# Altium PCB H-00488.PcbDoc (part 2 of 9)
Units mm, origin at the board's own origin, x right, y up, seen from the top; angles counter-clockwise.
Board outline 141.5 x 129 mm, 4 copper layers (Top Layer, Ground Plane, Power Plane, Bottom Layer), stack 1.536 mm thick; 527 components, 572 nets, 2185 pads, 1060 vias.
Unrouted connection lines stored in the file: 97.
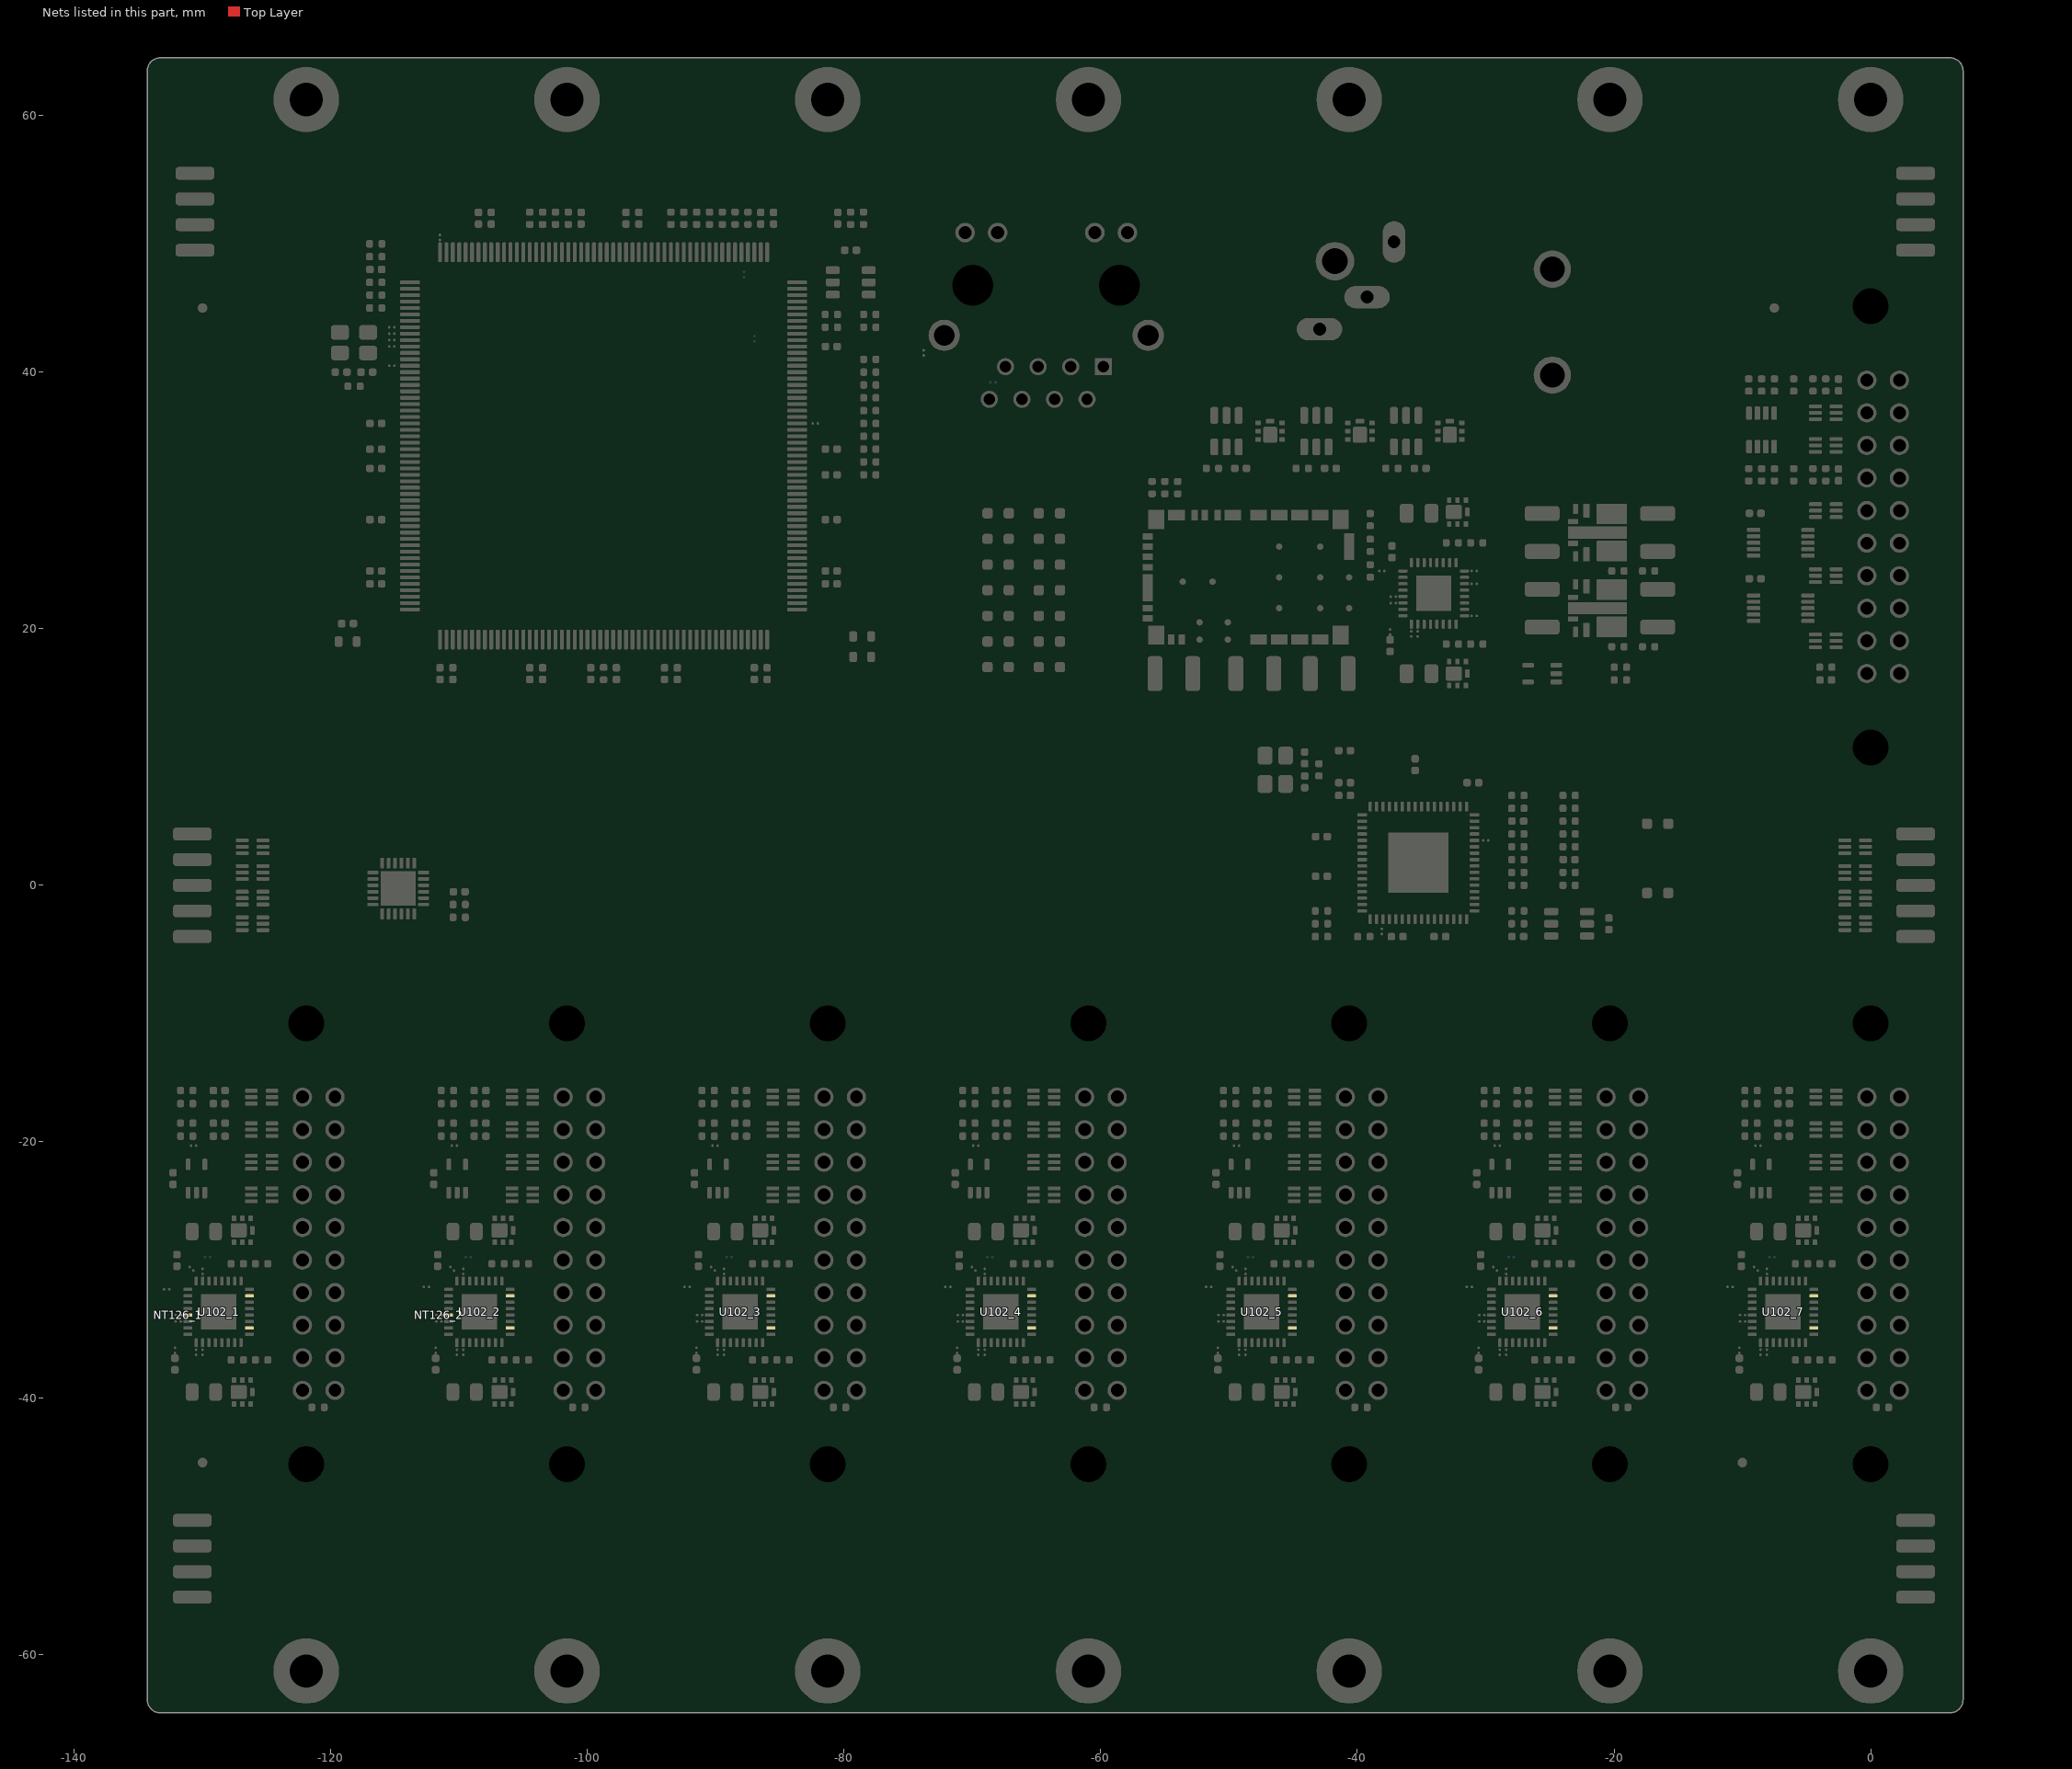
[diagram p4: the nets of this part, all layers, seen from the top]

## Components (designator, comment, footprint, x,y, rotation, side; value= is the part's Value field where it differs from the comment) (continued)
R118 "CRCW04021K20FKED" RESC100X50X40L25N -89.5,52 r90 top value=1.2k
R119 "CRCW04021K20FKED" RESC100X50X40L25N -78,32 r180 top value=1.2k
R120 "CRCW04021K20FKED" RESC100X50X40L25N -104.5,52 r90 top value=1.2k
R121 "CRCW04021K20FKED" RESC100X50X40L25N -90.5,52 r90 top value=1.2k
R122 "CRCW04021K20FKED" RESC100X50X40L25N -116.5,47 r180 top value=1.2k
R123 "CRCW04021K20FKED" RESC100X50X40L25N -91.5,52 r90 top value=1.2k
R124 "CRCW04021K20FKED" RESC100X50X40L25N -78,40 r180 top value=1.2k
R125 "CRCW04021K20FKED" RESC100X50X40L25N -116.5,46 r180 top value=1.2k
R126 "CRCW04021K20FKED" RESC100X50X40L25N -92.5,52 r90 top value=1.2k
R127 "CRCW04021K20FKED" RESC100X50X40L25N -78,39 r180 top value=1.2k
R128 "CRCW04021K20FKED" RESC100X50X40L25N -116.5,45 r180 top value=1.2k
R129 "CRCW04021K20FKED" RESC100X50X40L25N -93.5,52 r90 top value=1.2k
R130 "CRCW04021M00FKED" RESC100X50X40L25N -118.2,38.9 r180 top value=1M
R131 "CRCW04020000Z0ED" RESC100X50X40L25N -78,43.5 r0 top value=0
R132 "CRCW04020000Z0ED" RESC100X50X40L25N -78,44.5 r0 top value=0
R133 "CRCW04020000Z0ED" RESC100X50X40L25N -78.5,52 r270 top value=0
R134 "CRCW04023K00FKED" RESC100X50X40L25N -98.75,16.5 r90 top value=3k
R135_1 "CRCW040247R0FKED" RESC100X50X40L25N -131.237,-17.018 r180 top locked value=47 (schematic designator R135)
R135_2 "CRCW040247R0FKED" RESC100X50X40L25N -110.917,-17.018 r180 top locked value=47 (schematic designator R135)
R135_3 "CRCW040247R0FKED" RESC100X50X40L25N -90.597,-17.018 r180 top locked value=47 (schematic designator R135)
R135_4 "CRCW040247R0FKED" RESC100X50X40L25N -70.277,-17.018 r180 top locked value=47 (schematic designator R135)
R135_5 "CRCW040247R0FKED" RESC100X50X40L25N -49.957,-17.018 r180 top locked value=47 (schematic designator R135)
R135_6 "CRCW040247R0FKED" RESC100X50X40L25N -29.637,-17.018 r180 top locked value=47 (schematic designator R135)
R135_7 "CRCW040247R0FKED" RESC100X50X40L25N -9.317,-17.018 r180 top locked value=47 (schematic designator R135)
R136_1 "CRCW040247R0FKED" RESC100X50X40L25N -131.237,-16.002 r180 top locked value=47 (schematic designator R136)
R136_2 "CRCW040247R0FKED" RESC100X50X40L25N -110.917,-16.002 r180 top locked value=47 (schematic designator R136)
R136_3 "CRCW040247R0FKED" RESC100X50X40L25N -90.597,-16.002 r180 top locked value=47 (schematic designator R136)
R136_4 "CRCW040247R0FKED" RESC100X50X40L25N -70.277,-16.002 r180 top locked value=47 (schematic designator R136)
R136_5 "CRCW040247R0FKED" RESC100X50X40L25N -49.957,-16.002 r180 top locked value=47 (schematic designator R136)
R136_6 "CRCW040247R0FKED" RESC100X50X40L25N -29.637,-16.002 r180 top locked value=47 (schematic designator R136)
R136_7 "CRCW040247R0FKED" RESC100X50X40L25N -9.317,-16.002 r180 top locked value=47 (schematic designator R136)
R137_1 "CRCW040247R0FKED" RESC100X50X40L25N -131.237,-18.542 r180 top locked value=47 (schematic designator R137)
R137_2 "CRCW040247R0FKED" RESC100X50X40L25N -110.917,-18.542 r180 top locked value=47 (schematic designator R137)
R137_3 "CRCW040247R0FKED" RESC100X50X40L25N -90.597,-18.542 r180 top locked value=47 (schematic designator R137)
R137_4 "CRCW040247R0FKED" RESC100X50X40L25N -70.277,-18.542 r180 top locked value=47 (schematic designator R137)
R137_5 "CRCW040247R0FKED" RESC100X50X40L25N -49.957,-18.542 r180 top locked value=47 (schematic designator R137)
R137_6 "CRCW040247R0FKED" RESC100X50X40L25N -29.637,-18.542 r180 top locked value=47 (schematic designator R137)
R137_7 "CRCW040247R0FKED" RESC100X50X40L25N -9.317,-18.542 r180 top locked value=47 (schematic designator R137)
R138_1 "CRCW040247R0FKED" RESC100X50X40L25N -131.237,-19.558 r180 top locked value=47 (schematic designator R138)
R138_2 "CRCW040247R0FKED" RESC100X50X40L25N -110.917,-19.558 r180 top locked value=47 (schematic designator R138)
R138_3 "CRCW040247R0FKED" RESC100X50X40L25N -90.597,-19.558 r180 top locked value=47 (schematic designator R138)
R138_4 "CRCW040247R0FKED" RESC100X50X40L25N -70.277,-19.558 r180 top locked value=47 (schematic designator R138)
R138_5 "CRCW040247R0FKED" RESC100X50X40L25N -49.957,-19.558 r180 top locked value=47 (schematic designator R138)
R138_6 "CRCW040247R0FKED" RESC100X50X40L25N -29.637,-19.558 r180 top locked value=47 (schematic designator R138)
R138_7 "CRCW040247R0FKED" RESC100X50X40L25N -9.317,-19.558 r180 top locked value=47 (schematic designator R138)
R139_1 "WSL0805R0250FEA18" RESC200X125X70L40N -129.9,-27 r180 top value=25m (schematic designator R139)
R139_2 "WSL0805R0250FEA18" RESC200X125X70L40N -109.58,-27 r180 top value=25m (schematic designator R139)
R139_3 "WSL0805R0250FEA18" RESC200X125X70L40N -89.26,-27 r180 top value=25m (schematic designator R139)
R139_4 "WSL0805R0250FEA18" RESC200X125X70L40N -68.94,-27 r180 top value=25m (schematic designator R139)
R139_5 "WSL0805R0250FEA18" RESC200X125X70L40N -48.62,-27 r180 top value=25m (schematic designator R139)
R139_6 "WSL0805R0250FEA18" RESC200X125X70L40N -28.3,-27 r180 top value=25m (schematic designator R139)
R139_7 "WSL0805R0250FEA18" RESC200X125X70L40N -7.98,-27 r180 top value=25m (schematic designator R139)
R140_1 "CRCW040210K0FKED" RESC100X50X40L25N -127.3,-29.5 r0 top value=10k (schematic designator R140)
R140_2 "CRCW040210K0FKED" RESC100X50X40L25N -106.98,-29.5 r0 top value=10k (schematic designator R140)
R140_3 "CRCW040210K0FKED" RESC100X50X40L25N -86.66,-29.5 r0 top value=10k (schematic designator R140)
R140_4 "CRCW040210K0FKED" RESC100X50X40L25N -66.34,-29.5 r0 top value=10k (schematic designator R140)
R140_5 "CRCW040210K0FKED" RESC100X50X40L25N -46.02,-29.5 r0 top value=10k (schematic designator R140)
R140_6 "CRCW040210K0FKED" RESC100X50X40L25N -25.7,-29.5 r0 top value=10k (schematic designator R140)
R140_7 "CRCW040210K0FKED" RESC100X50X40L25N -5.38,-29.5 r0 top value=10k (schematic designator R140)
R141_1 "CRCW04023K90FKED" RESC100X50X40L25N -125.4,-29.5 r0 top value=3.9k (schematic designator R141)
R141_2 "CRCW04023K90FKED" RESC100X50X40L25N -105.08,-29.5 r0 top value=3.9k (schematic designator R141)
R141_3 "CRCW04023K90FKED" RESC100X50X40L25N -84.76,-29.5 r0 top value=3.9k (schematic designator R141)
R141_4 "CRCW04023K90FKED" RESC100X50X40L25N -64.44,-29.5 r0 top value=3.9k (schematic designator R141)
R141_5 "CRCW04023K90FKED" RESC100X50X40L25N -44.12,-29.5 r0 top value=3.9k (schematic designator R141)
R141_6 "CRCW04023K90FKED" RESC100X50X40L25N -23.8,-29.5 r0 top value=3.9k (schematic designator R141)
R141_7 "CRCW04023K90FKED" RESC100X50X40L25N -3.48,-29.5 r0 top value=3.9k (schematic designator R141)
R142_1 "WSL0805R0250FEA18" RESC200X125X70L40N -129.9,-39.5 r180 top value=25m (schematic designator R142)
R142_2 "WSL0805R0250FEA18" RESC200X125X70L40N -109.58,-39.5 r180 top value=25m (schematic designator R142)
R142_3 "WSL0805R0250FEA18" RESC200X125X70L40N -89.26,-39.5 r180 top value=25m (schematic designator R142)
R142_4 "WSL0805R0250FEA18" RESC200X125X70L40N -68.94,-39.5 r180 top value=25m (schematic designator R142)
R142_5 "WSL0805R0250FEA18" RESC200X125X70L40N -48.62,-39.5 r180 top value=25m (schematic designator R142)
R142_6 "WSL0805R0250FEA18" RESC200X125X70L40N -28.3,-39.5 r180 top value=25m (schematic designator R142)
R142_7 "WSL0805R0250FEA18" RESC200X125X70L40N -7.98,-39.5 r180 top value=25m (schematic designator R142)
R143_1 "CRCW040220K0FKED" RESC100X50X40L25N -127.3,-37 r0 top value=20k (schematic designator R143)
R143_2 "CRCW040220K0FKED" RESC100X50X40L25N -106.98,-37 r0 top value=20k (schematic designator R143)
R143_3 "CRCW040220K0FKED" RESC100X50X40L25N -86.66,-37 r0 top value=20k (schematic designator R143)
R143_4 "CRCW040220K0FKED" RESC100X50X40L25N -66.34,-37 r0 top value=20k (schematic designator R143)
R143_5 "CRCW040220K0FKED" RESC100X50X40L25N -46.02,-37 r0 top value=20k (schematic designator R143)
R143_6 "CRCW040220K0FKED" RESC100X50X40L25N -25.7,-37 r0 top value=20k (schematic designator R143)
R143_7 "CRCW040220K0FKED" RESC100X50X40L25N -5.38,-37 r0 top value=20k (schematic designator R143)
R144_1 "CRCW04021K20FKED" RESC100X50X40L25N -125.4,-37 r0 top value=1.2k (schematic designator R144)
R144_2 "CRCW04021K20FKED" RESC100X50X40L25N -105.08,-37 r0 top value=1.2k (schematic designator R144)
R144_3 "CRCW04021K20FKED" RESC100X50X40L25N -84.76,-37 r0 top value=1.2k (schematic designator R144)
R144_4 "CRCW04021K20FKED" RESC100X50X40L25N -64.44,-37 r0 top value=1.2k (schematic designator R144)
R144_5 "CRCW04021K20FKED" RESC100X50X40L25N -44.12,-37 r0 top value=1.2k (schematic designator R144)
R144_6 "CRCW04021K20FKED" RESC100X50X40L25N -23.8,-37 r0 top value=1.2k (schematic designator R144)
R144_7 "CRCW04021K20FKED" RESC100X50X40L25N -3.48,-37 r0 top value=1.2k (schematic designator R144)
R145_1 "CRCW040247R0FKED" RESC100X50X40L25N -121,-40.7 r0 top value=47 (schematic designator R145)
R145_2 "CRCW040247R0FKED" RESC100X50X40L25N -100.68,-40.7 r0 top value=47 (schematic designator R145)
R145_3 "CRCW040247R0FKED" RESC100X50X40L25N -80.36,-40.7 r0 top value=47 (schematic designator R145)
R145_4 "CRCW040247R0FKED" RESC100X50X40L25N -60.04,-40.7 r0 top value=47 (schematic designator R145)
R145_5 "CRCW040247R0FKED" RESC100X50X40L25N -39.72,-40.7 r0 top value=47 (schematic designator R145)
R145_6 "CRCW040247R0FKED" RESC100X50X40L25N -19.4,-40.7 r0 top value=47 (schematic designator R145)
R145_7 "CRCW040247R0FKED" RESC100X50X40L25N 0.92,-40.7 r0 top value=47 (schematic designator R145)
R146 "CRCW04020000Z0ED" RESC100X50X40L25N -23.5,5 r180 top value=0
R147 "CRCW04021K20FKED" RESC100X50X40L25N -23.5,7 r180 top value=1.2k
R148 "CRCW04021K20FKED" RESC100X50X40L25N -27.5,7 r180 top value=1.2k
R149 "CRCW04021K20FKED" RESC100X50X40L25N -27.5,6 r180 top value=1.2k
R150 "CRCW040210K0FKED" RESC100X50X40L25N -42.8,-2 r0 top value=10k
R151 "CRCW040210K0FKED" RESC100X50X40L25N -27.5,2 r180 top value=10k
R152 "CRCW04021K20FKED" RESC100X50X40L25N -27.5,-2 r180 top value=1.2k
R153 "CRCW04021K20FKED" RESC100X50X40L25N -27.5,-3 r180 top value=1.2k
R154 "CRCW040210K0FKED" RESC100X50X40L25N -42.8,-3 r180 top value=10k
R155 "CRCW040210K0FKED" RESC100X50X40L25N -27.5,3 r0 top value=10k
R156 "CRCW040210K0FKED" RESC100X50X40L25N -27.5,1 r180 top value=10k
R157 "CRCW040210K0FKED" RESC100X50X40L25N -27.5,0 r180 top value=10k
R158 "CRCW04021K20FKED" RESC100X50X40L25N -39.5,-4 r0 top value=1.2k
R159 "CRCW04021K20FKED" RESC100X50X40L25N -42.8,-4 r0 top value=1.2k
R160 "CRCW040210K0FKED" RESC100X50X40L25N -23.5,6 r180 top value=10k
R161 "CRCW040210K0FKED" RESC100X50X40L25N -23.5,4 r180 top value=10k
R162 "CRCW04020000Z0ED" RESC100X50X40L25N -23.5,1 r180 top value=0
R163 "CRCW04020000Z0ED" RESC100X50X40L25N -23.5,0 r0 top value=0
R164 "CRCW04020000Z0ED" RESC100X50X40L25N -23.5,3 r180 top value=0
R165 "CRCW04021M00FKED" RESC100X50X40L25N -43,9 r90 top value=1M
R166 "CRCW040212K0FKED" RESC100X50X40L25N -27.5,4 r180 top value=12k
R167 "CRCW04023K90FKED" RESC100X50X40L25N -6,39 r90 top value=3.9k
R168 "CRCW04023K90FKED" RESC100X50X40L25N -6,32 r270 top value=3.9k
R169 "CRCW040210K0FKED" RESC100X50X40L25N -4.5,39 r90 top value=10k
R170 "CRCW040210K0FKED" RESC100X50X40L25N -4.5,32 r270 top value=10k
R171 "CRCW04021K20FKED" RESC100X50X40L25N -3.5,39 r90 top value=1.2k
R172 "CRCW04021K20FKED" RESC100X50X40L25N -3.5,32 r270 top value=1.2k
R173 "CRCW04023K90FKED" RESC100X50X40L25N -110,-1.5 r180 top value=3.9k
R174 "CRCW04023K90FKED" RESC100X50X40L25N -110,-2.5 r180 top value=3.9k
R175 "WSLP0805R0100FEA" RESC200X125X70L40M -35.2,29 r180 top value=10m
R176 "CRCW0402200KFKED" RESC100X50X40L25N -39,28.5 r270 top value=200k
R177 "CRCW040220K0FKED" RESC100X50X40L25N -32.6,26.7 r0 top value=20k
R178 "CRCW040247R0FKED" RESC100X50X40L25N -51.3,32.5 r0 top value=47
R179 "CRCW04021K20FKED" RESC100X50X40L25N -39,26.5 r270 top value=1.2k
R180 "CRCW04021K20FKED" RESC100X50X40L25N -30.7,26.7 r0 top value=1.2k
R181 "CRCW040210K0FKED" RESC100X50X40L25N -39,24.5 r270 top value=10k
R182 "CRCW040210K0FKED" RESC100X50X40L25N -19.7,18.6 r0 top value=10k
R183 "CRCW040247R0FKED" RESC100X50X40L25N -37.3,32.5 r0 top value=47
R184 "CRCW04022K20FKED" RESC100X50X40L25N -17.3,18.6 r0 top value=2.2k
R185 "CRCW040247R0FKED" RESC100X50X40L25N -44.3,32.5 r0 top value=47
R186 "CRCW040210K0FKED" RESC100X50X40L25N -19.7,24.5 r0 top value=10k
R187 "CRCW04023K90FKED" RESC100X50X40L25N -17.3,24.5 r0 top value=3.9k
R188 "WSLP0805R0100FEA" RESC200X125X70L40M -35.2,16.5 r180 top value=10m
R189 "CRCW040210K0FKED" RESC100X50X40L25N -32.6,18.8 r0 top value=10k
R190 "CRCW04023K90FKED" RESC100X50X40L25N -30.7,18.8 r0 top value=3.9k
R191 "CRCW04021K20FKED" RESC100X50X40L25N -19.5,16 r180 top value=1.2k
R192 "CRCW04021K20FKED" RESC100X50X40L25N -19.5,17 r180 top value=1.2k
R193 "CRCW040220K0FKED" RESC100X50X40L25N -55,31 r270 top value=20k
R194 "CRCW040210K0FKED" RESC100X50X40L25N -56,31 r90 top value=10k
R195 "CRCW040210K0FKED" RESC100X50X40L25N -7.5,39 r90 top value=10k
R196 "CRCW040210K0FKED" RESC100X50X40L25N -9.5,39 r270 top value=10k
R197 "CRCW04022K20FKED" RESC100X50X40L25N -8.5,39 r270 top value=2.2k
R198 "CRCW040210K0FKED" RESC100X50X40L25N -9.5,32 r270 top value=10k
R199 "CRCW040210K0FKED" RESC100X50X40L25N -8.5,32 r270 top value=10k
R200 "CRCW04022K20FKED" RESC100X50X40L25N -7.5,32 r90 top value=2.2k
R201 "CRCW040210K0FKED" RESC100X50X40L25N -3.5,17 r180 top value=10k
U100 "KSZ8999I" QFP208P50_3120X3120X410L88X22N -98.75,34.25 r0 top locked
U101 "24AA025E64T-I/OT" SOT23-6P95_270X145L35X35 -79.487,47 r270 top
U102_1 "LTC4222IUH#PBF" QFN33P50_500X500X80L40X25T345 -128.75,-33.254 r270 top (schematic designator U102)
U102_2 "LTC4222IUH#PBF" QFN33P50_500X500X80L40X25T345 -108.43,-33.254 r270 top (schematic designator U102)
U102_3 "LTC4222IUH#PBF" QFN33P50_500X500X80L40X25T345 -88.11,-33.254 r270 top (schematic designator U102)
U102_4 "LTC4222IUH#PBF" QFN33P50_500X500X80L40X25T345 -67.79,-33.254 r270 top (schematic designator U102)
U102_5 "LTC4222IUH#PBF" QFN33P50_500X500X80L40X25T345 -47.47,-33.254 r270 top (schematic designator U102)
U102_6 "LTC4222IUH#PBF" QFN33P50_500X500X80L40X25T345 -27.15,-33.254 r270 top (schematic designator U102)
U102_7 "LTC4222IUH#PBF" QFN33P50_500X500X80L40X25T345 -6.83,-33.254 r270 top (schematic designator U102)
U103_1 "SN74LVC1G125DCKR" SOT23-5P65_210X110L36X22 -130.475,-22.86 r0 top (schematic designator U103)
U103_2 "SN74LVC1G125DCKR" SOT23-5P65_210X110L36X22 -110.155,-22.86 r0 top (schematic designator U103)
U103_3 "SN74LVC1G125DCKR" SOT23-5P65_210X110L36X22 -89.835,-22.86 r0 top (schematic designator U103)
U103_4 "SN74LVC1G125DCKR" SOT23-5P65_210X110L36X22 -69.515,-22.86 r0 top (schematic designator U103)
U103_5 "SN74LVC1G125DCKR" SOT23-5P65_210X110L36X22 -49.195,-22.86 r0 top (schematic designator U103)
U103_6 "SN74LVC1G125DCKR" SOT23-5P65_210X110L36X22 -28.875,-22.86 r0 top (schematic designator U103)
U103_7 "SN74LVC1G125DCKR" SOT23-5P65_210X110L36X22 -8.555,-22.86 r0 top (schematic designator U103)
U104 "USB2517I-JZX" QFN65P50_900X900X100L40X24T470N -35.25,1.75 r270 top
U105 "24AA025E64T-I/OT" SOT23-6P95_270X145L35X35 -23.5,-3 r270 top
U106 "FSUSB42MUX" SOP10P50_300X490X110L55X25 -7,26.7 r270 top
U107 "FSUSB42MUX" SOP10P50_300X490X110L55X25 -7,21.6 r270 top
U108 "TCA9548AMRGER" QFN25P50_400X400X100L40X24T270 -114.75,-0.25 r180 top
U109 "LTC4222IUH#PBF" QFN33P50_500X500X80L40X25T345 -34.05,22.75 r270 top
U110 "LM5050Q1MK-1/NOPB" SOT23-6P95_280X110L45X40M -50.2,35.4 r0 top
U111 "TPSM84209RKHR" TI_RKH0009A -21.1,21.6 r0 top
U112 "LM5050Q1MK-1/NOPB" SOT23-6P95_280X110L45X40M -36.2,35.4 r0 top
U113 "TPSM84209RKHR" TI_RKH0009A -21.1,27.5 r0 top
U114 "LM5050Q1MK-1/NOPB" SOT23-6P95_280X110L45X40M -43.2,35.4 r0 top
U115 "LMZM33606RLXR" TI_RLX0041A -48.5,24 r270 top
U116 "SN74LVC1G125DCKR" SOT23-5P65_210X110L36X22 -25.6,16.5 r90 top
U117 "TLV7022DDFR" SOT23-8P65_280X110L45X30 -8.5,35.5 r180 top
Y100 "TSX-322525.0000MF18X-G0" OSCCC320X250X60L90X110 -118.2,42.3 r180 top
Y101 "TSX-322524.0000MF15X-AC3" OSCCC320X250X60L90X110 -46.4,9 r270 top

## Footprints (in the part's own frame and the unit in brackets; to place one, negate y for a bottom-side part, rotate by r counter-clockwise, add the part's x,y. Pads: shape width x height; smd on the part's side, far side on the other; paste and mask are expansions set on the pad)
AVX_00-9159-008 [mm] "Connector, Card Edge Vertical; 8 pin, 8.00 mm L X 10.00 mm W X 5.00 mm H body (AVX - )"
  rrect50% 3x1 smd paste-4: 1(-3.9,3) 2(-3.9,1) 3(-3.9,-1) 4(-3.9,-3)
  rrect50% 3x1 smd far side paste-4: 5(-3.9,3) 6(-3.9,1) 7(-3.9,-1) 8(-3.9,-3)
  Keep-Out Layer board cut-out: -1.7,3.75 -1.7,-3.75 -1.662,-3.941 -1.554,-4.104 -1.391,-4.212 -1.2,-4.25 -1.2,-4.25 3.8,-4.25 3.8,4.25 -1.2,4.25 -1.391,4.212 -1.553,4.104 -1.662,3.941 -1.7,3.75
  Keep-Out Layer board cut-out: -3.3,-0.3 0,-0.3 0,0.3 -3.3,0.3 -3.415,0.277 -3.512,0.212 -3.577,0.115 -3.6,0 -3.6,0 -3.56,-0.15 -3.45,-0.26 -3.3,-0.3
  silkscreen extent -5.8,-4 5,4, body extent -5,-3.95 5,3.95, height 1.8
AVX_00-9159-010 [mm] "Connector, Card Edge Vertical; 5 pin, 10.00 mm L X 10.00 mm W X 5.00 mm H body (AVX - )"
  rrect50% 3x1 smd paste-4: 1(-3.9,4) 2(-3.9,2) 3(-3.9,0) 4(-3.9,-2) 5(-3.9,-4)
  rrect50% 3x1 smd far side paste-4: 6(-3.9,4) 7(-3.9,2) 8(-3.9,0) 9(-3.9,-2) 10(-3.9,-4)
  Keep-Out Layer board cut-out: -1.7,4.75 -1.7,-4.75 -1.633,-5 -1.45,-5.183 -1.2,-5.25 -1.2,-5.25 3.8,-5.25 3.8,5.25 -1.2,5.25 -1.391,5.212 -1.553,5.104 -1.662,4.941 -1.7,4.75
  Keep-Out Layer board cut-out: -3.3,0.7 0,0.7 0,1.3 -3.3,1.3 -3.415,1.277 -3.512,1.212 -3.577,1.115 -3.6,1 -3.6,1 -3.56,0.85 -3.45,0.74 -3.3,0.7
  silkscreen extent -5.8,-5 5,5, body extent -5,-4.95 5,4.95, height 1.8
BEADC160X80X95L30 [mm] "Ferrite Bead, Chip; 1.60 mm L X 0.80 mm W X 0.95 mm H body (TDK - MMZ1608)"
  rrect50% 0.6x0.8 smd: 1(-0.7,0) 2(0.7,0)
  silkscreen extent -0.22,-0.48 0.22,0.48, body extent -0.8,-0.4 0.8,0.4, height 0.95
CAPC100X50X55L30N [mm] "Capacitor, Chip; 1.00 mm L X 0.50 mm W X 0.55 mm H body (Kemet - Inch 0402, Metric 1005, BB)"
  rrect52% 0.59x0.58 smd: 1(-0.455,0) 2(0.455,0)
  body extent -0.5,-0.25 0.5,0.25, height 0.55
CAPC320X250X170L50N [mm] "Capacitor, Chip; 3.20 mm L X 2.50 mm W X 1.70 mm H body (Kemet - Inch 1210, Metric 3225, FH)"
  rrect43% 1.16x2.72 smd: 1(-1.475,0) 2(1.475,0)
  silkscreen extent -0.71,-1.35 0.71,1.35, body extent -1.6,-1.25 1.6,1.25, height 1.7
CAPC320X250X245L50N [mm] "Capacitor, Chip; 3.20 mm L X 2.50 mm W X 2.45 mm H body (Kemet - Inch 1210, Metric 3225, FR)"
  rrect43% 1.16x2.72 smd: 1(-1.475,0) 2(1.475,0)
  silkscreen extent -0.71,-1.35 0.71,1.35, body extent -1.6,-1.25 1.6,1.25, height 2.45
CUI_PJ-090BH [mm] "Connector, DC Power Jack Vertical; 4 pin, 9.50 mm L X 11.20 mm W X 14.20 mm H body (CUI - PJ-090BH)"
  round 3 hole 2 paste-3: 1(0,1.15)
  rrect100% 3.55x1.75 / inner rrect50% 3.55x1.75 / far side rrect100% 3.55x1.75 hole 1 slot 2.8 at 0 deg paste-3.55: 2(-1.2,-4.15) 3(2.5,-1.65)
  rrect100% 1.75x3.25 / inner rrect50% 1.75x3.25 / far side rrect100% 1.75x3.25 hole 1 slot 2.5 at 90 deg paste-3.25: M1(4.6,2.65)
  silkscreen extent -4.75,-5.6 4.75,5.6, body extent -4.75,-5.61 4.75,5.6, height 14.22
DIOSOFL6P50_160X160X95L29X26 [mm] "Diode, Small Outline Flat Lead (SOFL), 0.50 mm pitch; 6 pin, 1.60 mm L X 1.20 mm W X 0.95 mm H body (ST Microelectronics - SOT-666)"
  rrect53% 0.3x0.99 smd: 1(-0.5,-0.805) 2(0,-0.805) 3(0.5,-0.805) 4(0.5,0.805) 5(0,0.805) 6(-0.5,0.805)
  silkscreen extent -0.85,-0.65 0.85,0.65, body extent -0.8,-0.8 0.8,0.8, height 0.95
FIDUCIAL_075X150 [mm] "Fiducial, Global; 0.75mm x 1.50mm ( - )"
  round 0.75 smd paste-0.75 mask+0.375: 1(0,0)
  Top Layer keep-out circle w0.025: c0,0 r0.75
HARTING_09242206824 [mm] "Connector, Vertical Receptacle; 20 pin, 39.90 mm L X 8.20 mm W X 11.80 mm H body (Harting - 09242206824)"